# KiCad board MCU_Bottom.kicad_pcb
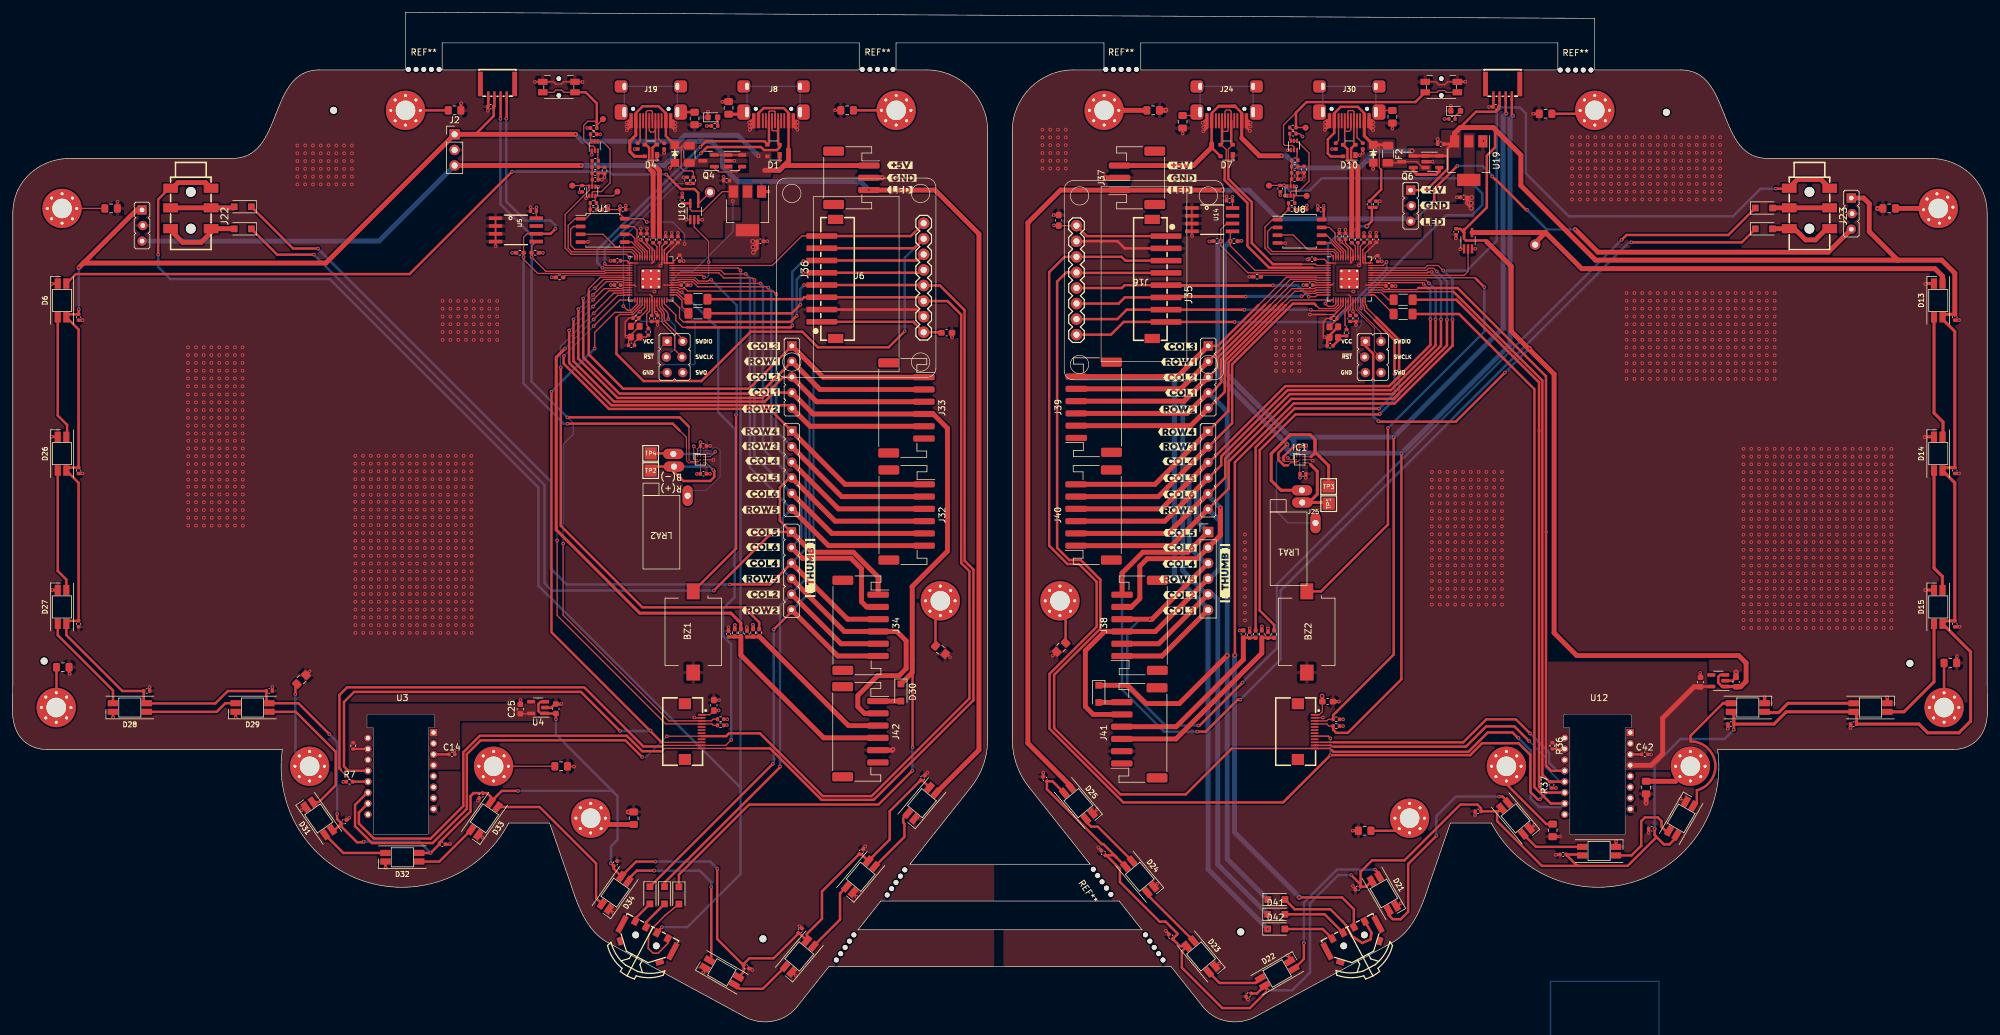
[diagram p0: board, top side]
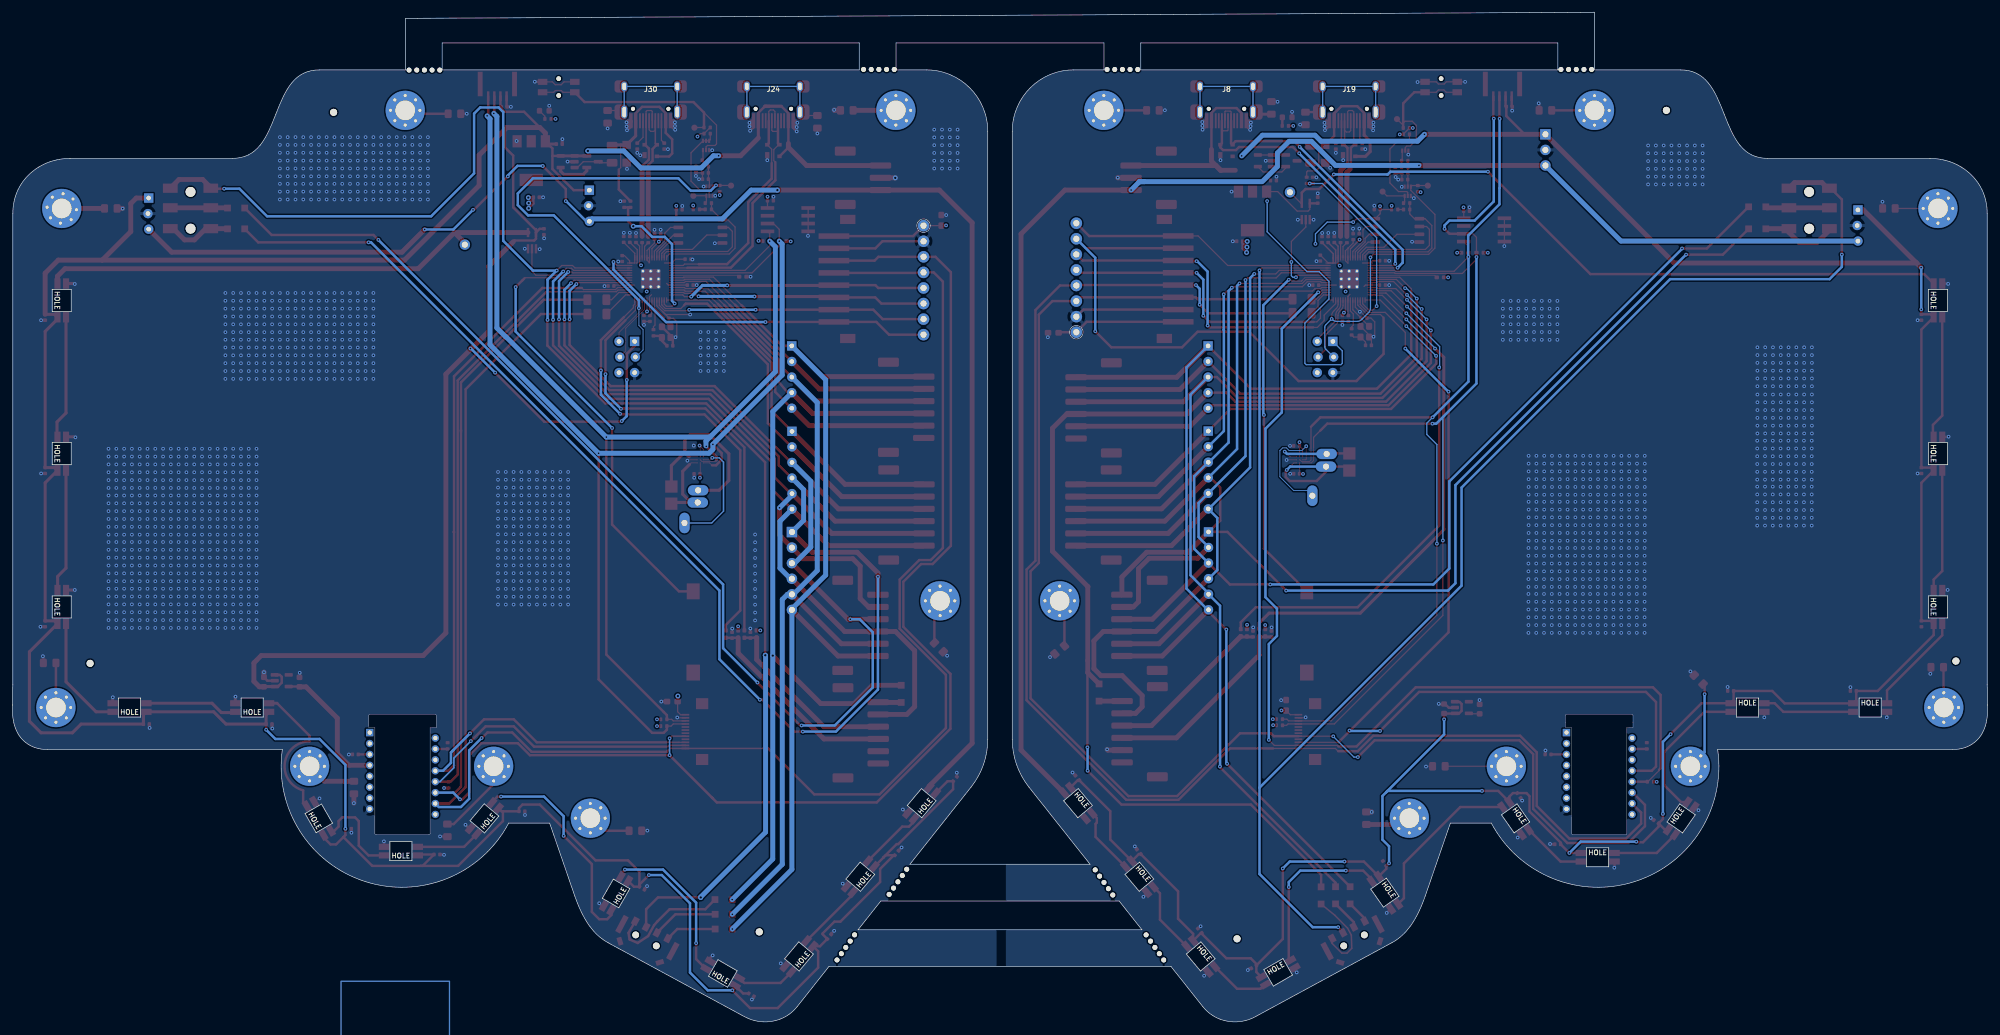
[diagram p1: board, bottom side, seen from below]

Outline 322.08 x 164.82 mm; copper layers: Top, In1.Cu, In2.Cu, Bottom. Coordinates in mm from the lower left corner of the outline.
Outline path: 0.09,55.19 0.09,132.02 ; 9.44,140.98 35.86,140.98 ; 5.78,44.56 44.03,44.56 arc(57.44,23.06) 80.94,32.56 87.61,32.56 91.7,20.69 ; 50.09,155.41 64.09,155.41 64.09,164.82 257.99,163.82 257.99,155.41 271.99,155.41 ; 119.39,0.99 97.14,13.06 ; 127.96,2.62 133.15,9.16 188.93,9.16 194.12,2.62 ; 202.7,0.99 224.94,13.06 ; 230.38,20.69 234.47,32.56 241.14,32.56 arc(264.64,23.06) 278.05,44.56 316.3,44.56 ; 312.64,140.98 286.22,140.98 ; 321.99,55.19 321.99,132.02 ; 57.84,50.11 57.84,48.14 58.84,48.14 58.84,30.86 arc(58.9,30.72) 59.04,30.66 67.64,30.66 arc(67.78,30.72) 67.84,30.86 67.84,48.14 68.84,48.14 68.84,50.11 arc(68.78,50.25) 68.64,50.31 58.04,50.31 arc(57.9,50.25) 57.84,50.11 ; 70.09,159.82 70.09,155.41 138.09,155.41 138.09,159.82 70.09,159.82 ; 137.9,15.16 141.61,19.85 180.47,19.85 184.18,15.16 137.9,15.16 ; 144.09,159.82 177.99,159.82 177.99,155.41 173.04,155.41 arc(165.97,152.49) 163.04,145.41 163.04,46.22 arc(163.73,42.11) 165.74,38.46 175.72,25.85 146.36,25.85 156.34,38.46 arc(158.35,42.11) 159.04,46.22 159.04,145.41 arc(156.11,152.49) 149.04,155.41 144.09,155.41 144.09,159.82 ; 183.99,159.82 251.99,159.82 251.99,155.41 183.99,155.41 183.99,159.82 ; 252.96,50.11 252.96,48.14 253.96,48.14 253.96,30.86 arc(254.02,30.72) 254.16,30.66 262.76,30.66 arc(262.9,30.72) 262.96,30.86 262.96,48.14 263.96,48.14 263.96,50.11 arc(263.9,50.25) 263.76,50.31 253.16,50.31 arc(253.02,50.25) 252.96,50.11
Stack: Top 0.035mm / dielectric 0.2104mm FR4 er 4.5 / In1.Cu 0.035mm / dielectric 1.2mm FR4 er 4.5 / In2.Cu 0.0152mm / dielectric 0.2104mm FR4 er 4.5 / Bottom 0.035mm

## Placement (name value [footprint] x y rotation side)
BZ1  Buzzer  [Buzzer_SMD_KLJ-1102_11x9]  111.03 63.76 270 top
BZ2  Buzzer  [Buzzer_SMD_KLJ-1102_11x9]  211.06 63.76 270 top
C1  100n  [C_0402_1005Metric]  99.54 132.64 0 top
C2  100n  [C_0402_1005Metric]  108.82 124.72 270 top
C3  15p  [C_0402_1005Metric]  101.69 114.94 0 top
C4  15p  [C_0402_1005Metric]  100.97 110.49 0 top
C5  1uf  [C_0603_1608Metric_Pad1.08x0.95mm_HandSolder]  152.35 112.54 0 top
C6  100n  [C_0402_1005Metric]  213.34 132.62 0 top
C9  15p  [C_0402_1005Metric]  215.49 114.89 0 top
C10  1u  [C_0402_1005Metric]  106.54 127.74 90 top
C11  100n  [C_0402_1005Metric]  98.67 124.29 180 top
C12  100n  [C_0402_1005Metric]  109.55 120.32 0 top
C13  1u  [C_0402_1005Metric]  107.54 127.74 270 top
C14  4.7u  [C_0402_1005Metric]  71.68 43.77 0 top
C15  15p  [C_0402_1005Metric]  214.87 110.42 0 top
C16  100n  [C_0402_1005Metric]  98.68 120.32 180 top
C17  100n  [C_0402_1005Metric]  222.64 124.64 270 top
C18  100n  [C_0402_1005Metric]  103.46 128.21 90 top
C19  100n  [C_0402_1005Metric]  104.24 114.86 270 top
C20  100n  [C_0402_1005Metric]  108.54 127.74 90 top
C21  1uf  [C_0603_1608Metric_Pad1.08x0.95mm_HandSolder]  170.62 130.88 90 top
C22  100n  [C_0402_1005Metric]  102.47 128.21 90 top
C23  100n  [C_0402_1005Metric]  105.22 114.88 270 top
C24  0.1u  [C_0603_1608Metric]  88.64 51.21 270 top
C25  1u  [C_0603_1608Metric]  82.84 51.16 90 top
C26  1u  [C_0402_1005Metric]  220.39 127.74 90 top
C27  1uf  [C_0402_1005Metric]  112.69 94.09 0 top
C28  cap_1uF_10v_0402  [C_0402_1005Metric]  116.46 137.37 180 top
C29  100n  [C_0402_1005Metric-no silk]  84.98 132.39 0 top
C30  1uf  [C_0603_1608Metric_Pad1.08x0.95mm_HandSolder]  114.39 51.78 90 top
C31  cap_1uF_10v_0402  [C_0402_1005Metric]  121.97 127.47 0 top
C32  1uf  [C_0402_1005Metric]  112.68 89.54 0 top
C33  100n  [C_0402_1005Metric-no silk]  109.23 134.16 90 top
C34  4u7  [C_0402_1005Metric]  95.04 138.54 0 top
C35  cap_100nF_16v_0402  [C_0402_1005Metric]  116.79 63.41 90 top
C37  10u  [C_0402_1005Metric]  95.05 137.52 0 top
C38  cap_100nF_16v_0402  [C_0402_1005Metric]  119.79 63.41 90 top
C39  100n  [C_0402_1005Metric]  217.37 128.27 90 top
C40  100n  [C_0402_1005Metric]  218.12 114.87 270 top
C41  1u  [C_0402_1005Metric]  221.39 127.77 270 top
C42  4.7u  [C_0402_1005Metric]  266.15 43.77 0 top
C43  100n  [C_0402_1005Metric]  211.91 124.54 180 top
C44  100n  [C_0402_1005Metric]  224.47 120.17 0 top
C45  100n  [C_0402_1005Metric]  211.55 120.32 180 top
C46  100n  [C_0402_1005Metric]  222.39 127.77 90 top
C47  100n  [C_0402_1005Metric]  219.09 114.88 270 top
C48  100n  [C_0402_1005Metric]  216.37 128.27 90 top
C49  0.1u  [C_0603_1608Metric]  281.05 55.57 270 top
C50  1u  [C_0603_1608Metric]  275.25 55.56 90 top
C51  1uf  [C_0402_1005Metric]  210.5 94.14 0 top
C52  cap_1uF_10v_0402  [C_0402_1005Metric]  232.89 143.32 180 top
C53  100n  [C_0402_1005Metric-no silk]  198.47 134.09 0 top
C54  1uf  [C_0603_1608Metric_Pad1.08x0.95mm_HandSolder]  214.46 52.39 0 top
C55  cap_1uF_10v_0402  [C_0402_1005Metric]  236.64 134.64 180 top
C56  1uf  [C_0402_1005Metric]  210.44 89.52 0 top
C57  100n  [C_0402_1005Metric-no silk]  235.4 129.02 270 top
C58  4u7  [C_0402_1005Metric]  209.07 138.62 0 top
C59  cap_100nF_16v_0402  [C_0402_1005Metric]  204.73 63.2 90 top
C60  100n  [C_0402_1005Metric]  78.01 149.42 0 top
C61  10u  [C_0402_1005Metric]  209.07 137.59 0 top
C62  cap_100nF_16v_0402  [C_0402_1005Metric]  201.74 63.21 90 top
C63  100n  [C_0402_1005Metric]  316.72 115.07 90 top
C64  100n  [C_0402_1005Metric]  316.72 90.07 90 top
C65  100n  [C_0402_1005Metric]  316.72 65.07 90 top
C66  100n  [C_0402_1005Metric]  300.21 48.71 0 top
C67  100n  [C_0402_1005Metric]  280.21 48.71 0 top
C68  100n  [C_0402_1005Metric]  267.29 31.64 0 top
C69  100n  [C_0402_1005Metric]  252.84 27.44 0 top
C70  100n  [C_0402_1005Metric]  241.89 149.39 0 top
C71  100n  [C_0402_1005Metric]  238.99 34.49 0 top
C72  100n  [C_0402_1005Metric]  219.42 21.95 30 top
C73  100n  [C_0402_1005Metric]  201.59 4.54 30 top
C74  100n  [C_0402_1005Metric]  188.89 14.04 310 top
C75  100n  [C_0402_1005Metric]  168.38 39.75 310 top
C76  100n  [C_0402_1005Metric]  177.89 27.69 310 top
C77  100n  [C_0402_1005Metric]  10.82 115.07 90 top
C78  100n  [C_0402_1005Metric]  10.82 90.07 90 top
C79  100n  [C_0402_1005Metric]  10.82 65.07 90 top
C80  100n  [C_0402_1005Metric]  21.92 54.11 180 top
C81  100n  [C_0402_1005Metric]  41.92 54.11 180 top
C82  100n  [C_0402_1005Metric]  54.06 32.79 215 top
C83  100n  [C_0402_1005Metric]  70.11 29.11 180 top
C84  100n  [C_0402_1005Metric]  76.44 37.06 55 top
C85  100n  [C_0402_1005Metric]  98.34 25.99 235 top
C86  100n  [C_0402_1005Metric]  119.66 9.11 150 top
C87  100n  [C_0402_1005Metric]  128.46 15.01 230 top
C88  100n  [C_0402_1005Metric]  138.41 27.89 230 top
C89  100n  [C_0402_1005Metric]  148.44 39.94 230 top
D1  PRTR5V0U2X  [SOT-143]  124.12 142.26 180 top
D2  LED  [LED_0603_1608Metric]  114.22 147.68 0 top
D3  SMF5.0A  [D_SOD-123FL]  108.04 141.71 270 top
D4  PRTR5V0U2X  [SOT-143]  104.12 142.26 180 top
D5  D  [D_SOD-123F]  108.69 20.76 270 top
D6  SK6803Mini-E  [ScyllaBallz-SK6812MINI-E]  8.12 117.82 270 top
D7  PRTR5V0U2X  [SOT-143]  197.99 142.26 180 top
D8  LED  [LED_0603_1608Metric]  235.34 148.74 0 top
D9  SMF5.0A  [D_SOD-123FL]  221.91 141.74 270 top
D10  PRTR5V0U2X  [SOT-143]  217.99 142.26 180 top
D11  D  [D_SOD-123F]  206.11 20.09 0 top
D12  D  [D_SOD-123F]  177.15 53.64 270 top
D13  SK6803Mini-E  [ScyllaBallz-SK6812MINI-E]  314.02 117.82 270 top
D14  SK6803Mini-E  [ScyllaBallz-SK6812MINI-E]  314.02 92.82 270 top
D15  SK6803Mini-E  [ScyllaBallz-SK6812MINI-E]  314.02 67.82 270 top
D16  SK6803Mini-E  [ScyllaBallz-SK6812MINI-E]  302.96 51.41 180 top
D17  SK6803Mini-E  [ScyllaBallz-SK6812MINI-E]  282.96 51.41 180 top
D18  SK6803Mini-E  [ScyllaBallz-SK6812MINI-E]  272.1 33.33 240 top
D19  SK6803Mini-E  [ScyllaBallz-SK6812MINI-E]  258.72 27.99 180 top
D20  SK6803Mini-E  [ScyllaBallz-SK6812MINI-E]  245.1 33.33 130 top
D21  SK6803Mini-E  [ScyllaBallz-SK6812MINI-E]  223.64 21.09 120 top
D22  SK6803Mini-E  [ScyllaBallz-SK6812MINI-E]  206.24 8.04 210 top
D23  SK6803Mini-E  [ScyllaBallz-SK6812MINI-E]  193.82 10.82 130 top
D24  SK6803Mini-E  [ScyllaBallz-SK6812MINI-E]  183.82 23.82 130 top
D25  SK6803Mini-E  [ScyllaBallz-SK6812MINI-E]  173.82 35.82 130 top
D26  SK6803Mini-E  [ScyllaBallz-SK6812MINI-E]  8.12 92.82 270 top
D27  SK6803Mini-E  [ScyllaBallz-SK6812MINI-E]  8.12 67.82 270 top
D28  SK6803Mini-E  [ScyllaBallz-SK6812MINI-E]  19.17 51.41 0 top
D29  SK6803Mini-E  [ScyllaBallz-SK6812MINI-E]  39.17 51.41 0 top
D30  D  [D_SOD-123F]  144.89 53.86 270 top
D31  SK6803Mini-E  [ScyllaBallz-SK6812MINI-E]  49.98 33.33 305 top
D32  SK6803Mini-E  [ScyllaBallz-SK6812MINI-E]  63.59 26.99 0 top
D33  SK6803Mini-E  [ScyllaBallz-SK6812MINI-E]  76.98 33.33 55 top
D34  SK6803Mini-E  [ScyllaBallz-SK6812MINI-E]  98.29 21.22 55 top
D35  SK6803Mini-E  [ScyllaBallz-SK6812MINI-E]  115.69 8.22 330 top
D36  SK6803Mini-E  [ScyllaBallz-SK6812MINI-E]  128.32 10.82 50 top
D37  SK6803Mini-E  [ScyllaBallz-SK6812MINI-E]  138.32 23.82 50 top
D38  SK6803Mini-E  [ScyllaBallz-SK6812MINI-E]  148.32 35.82 50 top
D39  D  [D_SOD-123F]  106.34 20.79 270 top
D40  D  [D_SOD-123F]  103.96 20.79 270 top
D41  D  [D_SOD-123F]  206.09 17.69 0 top
D42  D  [D_SOD-123F]  206.09 15.29 0 top
D43  D  [D_SOD-123F]  37.59 133.09 180 top
D44  D  [D_SOD-123F]  37.59 129.49 180 top
D45  D  [D_SOD-123F]  285.59 132.89 0 top
D46  D  [D_SOD-123F]  285.59 129.49 0 top
DRILL1  Drill Mountpoint  [MountingHole_3.2mm_M3_Pad_Via]  78.48 41.83 0 top
DRILL2  Drill Mountpoint  [MountingHole_3.2mm_M3_Pad_Via]  48.48 41.83 0 top
DRILL3  Drill Mountpoint  [MountingHole_3.2mm_M3_Pad_Via]  243.6 41.83 0 top
DRILL4  Drill Mountpoint  [MountingHole_3.2mm_M3_Pad_Via]  273.6 41.83 0 top
DRILL5  Drill Mountpoint  [MountingHole_3.2mm_M3_Pad_Via]  7.17 51.41 0 top
DRILL6  Drill Mountpoint  [MountingHole_3.2mm_M3_Pad_Via]  8.12 132.82 0 top
DRILL7  Drill Mountpoint  [MountingHole_3.2mm_M3_Pad_Via]  64.12 148.82 0 top
DRILL8  Drill Mountpoint  [MountingHole_3.2mm_M3_Pad_Via]  144.12 148.82 0 top
DRILL9  Drill Mountpoint  [MountingHole_3.2mm_M3_Pad_Via]  151.32 68.82 0 top
DRILL10  Drill Mountpoint  [MountingHole_3.2mm_M3_Pad_Via]  94.31 33.36 0 top
DRILL11  Drill Mountpoint  [MountingHole_3.2mm_M3_Pad_Via]  314.96 51.41 0 top
DRILL12  Drill Mountpoint  [MountingHole_3.2mm_M3_Pad_Via]  314.02 132.82 5 top
DRILL13  Drill Mountpoint  [MountingHole_3.2mm_M3_Pad_Via]  258.02 148.82 0 top
DRILL14  Drill Mountpoint  [MountingHole_3.2mm_M3_Pad_Via]  178.02 148.82 0 top
DRILL15  Drill Mountpoint  [MountingHole_3.2mm_M3_Pad_Via]  170.82 68.82 0 top
DRILL16  Drill Mountpoint  [MountingHole_3.2mm_M3_Pad_Via]  227.82 33.36 0 top
F1  SMD-PPTC-1000MA  [Fuse_1206_3216Metric]  110.41 141.64 270 top
F2  SMD-PPTC-1000MA  [Fuse_1206_3216Metric]  224.29 141.67 270 top
FB1  4A/0805  [L_0805_2012Metric_Pad1.15x1.40mm_HandSolder]  116.79 149.22 90 top
FB2  4A/0805  [L_0805_2012Metric_Pad1.15x1.40mm_HandSolder]  111.24 147.49 270 top
FB3  4A/0805  [L_0805_2012Metric_Pad1.15x1.40mm_HandSolder]  190.82 146.95 270 top
FB4  4A/0805  [L_0805_2012Metric_Pad1.15x1.40mm_HandSolder]  225.02 147.77 270 top
FB5  4A/0805  [L_0805_2012Metric_Pad1.15x1.40mm_HandSolder]  89.49 41.83 0 top
FB6  4A/0805  [L_0805_2012Metric_Pad1.15x1.40mm_HandSolder]  47.14 55.96 45 top
FB7  4A/0805  [L_0805_2012Metric_Pad1.15x1.40mm_HandSolder]  251.14 31.38 270 top
FB8  4A/0805  [L_0805_2012Metric_Pad1.15x1.40mm_HandSolder]  266.38 38.36 270 top
FB9  4A/0805  [L_0805_2012Metric_Pad1.15x1.40mm_HandSolder]  8.24 57.99 0 top
FB10  4A/0805  [L_0805_2012Metric_Pad1.15x1.40mm_HandSolder]  16.12 132.82 0 top
FB11  4A/0805  [L_0805_2012Metric_Pad1.15x1.40mm_HandSolder]  72.12 148.82 0 top
FB12  4A/0805  [L_0805_2012Metric_Pad1.15x1.40mm_HandSolder]  136.12 148.82 180 top
FB13  4A/0805  [L_0805_2012Metric_Pad1.15x1.40mm_HandSolder]  151.32 60.82 320 top
FB14  4A/0805  [L_0805_2012Metric_Pad1.15x1.40mm_HandSolder]  101.31 33.36 90 top
FB15  4A/0805  [L_0805_2012Metric_Pad1.15x1.40mm_HandSolder]  315.99 58.69 0 top
FB16  4A/0805  [L_0805_2012Metric_Pad1.15x1.40mm_HandSolder]  306.02 132.82 180 top
FB17  4A/0805  [L_0805_2012Metric_Pad1.15x1.40mm_HandSolder]  249.99 148.26 180 top
FB18  4A/0805  [L_0805_2012Metric_Pad1.15x1.40mm_HandSolder]  186.02 148.82 0 top
FB19  4A/0805  [L_0805_2012Metric_Pad1.15x1.40mm_HandSolder]  171.01 61.24 225 top
FB20  4A/0805  [L_0805_2012Metric_Pad1.15x1.40mm_HandSolder]  220.49 31.31 180 top
H1  Hole  [JLC_SMT_Assembly_Hole]  5.22 61.17 0 top
H2  Hole  [JLC_SMT_Assembly_Hole]  309.42 60.79 0 top
H3  Hole  [JLC_SMT_Assembly_Hole]  200.32 16.99 0 top
H14  Hole  [JLC_SMT_Assembly_Hole]  122.42 15.87 0 top
H18  Hole  [JLC_SMT_Assembly_Hole]  52.42 150.99 0 top
H19  Hole  [JLC_SMT_Assembly_Hole]  269.72 150.67 0 top
IC1  -  [Texas_DSBGA-9_1.4715x1.4715mm_Layout3x3_P0.5mm]  209.91 91.82 0 top
IC2  -  [Texas_DSBGA-9_1.4715x1.4715mm_Layout3x3_P0.5mm]  112.2 91.82 0 top
J1  Conn_01x06_Female  [PinHeader_1x6_P2.54mm_Vertical]  127.05 73.71 0 top
J2  Conn_01x03_Female  [PinHeader_1x03_P2.54mm_Vertical]  72.12 144.9 0 top
J3  S3B-PH-SM4-TB(LF)(SN)  [JST_PH_S3B-PH-SM4-TB_1x03-1MP_P2.00mm_Horizontal]  136.82 137.82 270 top
J4  Conn_01x05_Female  [PinHeader_1x5_P2.54mm_Vertical]  127.12 105.32 0 top
J5  Conn_01x06_Female  [PinHeader_1x6_P2.54mm_Vertical]  127.09 90.16 0 top
J6  Waveshare_-_160x80_(ST7735S)  [ST7735s -160x80]  138.12 121.32 0 top
J7  Conn_01x06_Female  [PinHeader_1x06_P2.54mm_Vertical]  194.97 80.04 0 top
J8  HRO-TYPE-C-31-M-12-HandSoldering-NoSBU  [HRO-TYPE-C-31-M-12-mod]  124.12 151.32 180 top
J9  Conn_01x03_Female  [PinHeader_1x3_staggered_P2.54mm_Vertical]  227.99 133.26 0 top
J10  Conn_01x03_Female  [PinHeader_1x3_staggered_P2.54mm_Vertical]  299.84 131.98 0 top
J11  Conn_01x05_Female  [PinHeader_1x5_P2.54mm_Vertical]  194.99 105.32 0 top
J12  Conn_01x01_Female  [1X01_OVAL]  110.11 85.96 0 top
J13  Conn_01x06_Female  [PinHeader_1x6_P2.54mm_Vertical]  194.96 90.12 0 top
J14  Conn_01x01_Female  [1X01_OVAL]  107.89 90.72 270 top
J15  Conn_01x12_Female  [FPC-SMD_FPC05012-09200-.5mm]  111.03 47.49 270 top
J16  Waveshare_-_160x80_(ST7735S)  [ST7735s -160x80]  183.99 121.32 180 top
J17  -  [Conn_ARM_JTAG_SWD_6]  107.92 108.59 0 top
J18  Conn_01x01_Female  [1X01_OVAL]  107.79 92.78 270 top
J19  TYPE-C-31-M12_13  [HRO-TYPE-C-31-M-12-mod]  104.12 151.32 180 top
J20  2.54  [PinHeader_1x01_P2.54mm_Circle]  113.76 135.46 0 top
J21  Conn_01x03_Female  [PinHeader_1x3_staggered_P2.54mm_Vertical]  21.16 130.04 0 top
J22  PJ-313D-B-SMT  [AUDIO-SMD_PJ-313D-B-SMT]  29.12 132.82 270 top
J23  PJ-313D-B-SMT  [AUDIO-SMD_PJ-313D-B-SMT]  293.02 132.82 270 top
J24  HRO-TYPE-C-31-M-12-HandSoldering-NoSBU  [HRO-TYPE-C-31-M-12-mod]  197.99 151.32 180 top
J25  Conn_01x01_Female  [1X01_OVAL]  212.48 81.52 0 top
J26  Conn_01x01_Female  [1X01_OVAL]  210.32 84.86 90 top
J27  Conn_01x12_Female  [FPC-SMD_FPC05012-09200-.5mm]  210.97 47.49 270 top
J28  -  [Conn_ARM_JTAG_SWD_6]  221.76 108.59 0 top
J29  Conn_01x01_Female  [1X01_OVAL]  210.26 86.85 90 top
J30  TYPE-C-31-M12_13  [HRO-TYPE-C-31-M-12-mod]  217.99 151.32 180 top
J31  2.54  [PinHeader_1x01_P2.54mm_Circle]  248.29 126.92 0 top
J32  S6B-PH-SM4-TB(LF)(SN)  [JST_PH_S6B-PH-SM4-TB_1x06-1MP_P2.00mm_Horizontal]  145.82 82.82 270 top
J33  S6B-PH-SM4-TB(LF)(SN)  [JST_PH_S6B-PH-SM4-TB_1x06-1MP_P2.00mm_Horizontal]  145.79 100.29 270 top
J34  S6B-PH-SM4-TB(LF)(SN)  [JST_PH_S6B-PH-SM4-TB_1x06-1MP_P2.00mm_Horizontal]  138.32 64.82 270 top
J35  Waveshare_-_160x80_(ST7735S)  [CONN-SMD_P2.00_PH-8P]  186.99 121.32 270 top
J36  Waveshare_-_160x80_(ST7735S)  [CONN-SMD_P2.00_PH-8P]  133.12 121.32 90 top
J37  S3B-PH-SM4-TB(LF)(SN)  [JST_PH_S3B-PH-SM4-TB_1x03-1MP_P2.00mm_Horizontal]  183.38 137.82 90 top
J38  S6B-PH-SM4-TB(LF)(SN)  [JST_PH_S6B-PH-SM4-TB_1x06-1MP_P2.00mm_Horizontal]  183.79 64.82 90 top
J39  S6B-PH-SM4-TB(LF)(SN)  [JST_PH_S6B-PH-SM4-TB_1x06-1MP_P2.00mm_Horizontal]  176.33 100.39 90 top
J40  S6B-PH-SM4-TB(LF)(SN)  [JST_PH_S6B-PH-SM4-TB_1x06-1MP_P2.00mm_Horizontal]  176.29 82.82 90 top
J41  S6B-PH-SM4-TB(LF)(SN)  [JST_PH_S6B-PH-SM4-TB_1x06-1MP_P2.00mm_Horizontal]  183.75 47.29 90 top
J42  S6B-PH-SM4-TB(LF)(SN)  [JST_PH_S6B-PH-SM4-TB_1x06-1MP_P2.00mm_Horizontal]  138.29 47.46 270 top
K1  SW_Push  [Panasonic_EVQPUL_EVQPUC]  89.12 152.62 0 top
K2  SW_Push  [Panasonic_EVQPUL_EVQPUC]  232.99 152.62 0 top
kibuzzard-6310BE2F  G***  [kibuzzard-6310BE2F]  144.69 135.86 0 top
kibuzzard-6310BE2F#2  G***  [kibuzzard-6310BE2F]  231.51 130.64 0 top
kibuzzard-6310BE2F#3  G***  [kibuzzard-6310BE2F]  190.31 135.83 0 top
kibuzzard-6310BE48  G***  [kibuzzard-6310BE48]  145.01 137.8 0 top
kibuzzard-6310BE48#2  G***  [kibuzzard-6310BE48]  231.89 133.31 0 top
kibuzzard-6310BE48#3  G***  [kibuzzard-6310BE48]  190.63 137.77 0 top
kibuzzard-6310BE55  G***  [kibuzzard-6310BE55]  231.61 135.86 0 top
kibuzzard-6310BE55#2  G***  [kibuzzard-6310BE55]  144.69 139.87 0 top
kibuzzard-6310BE55#3  G***  [kibuzzard-6310BE55]  190.31 139.84 0 top
kibuzzard-63106DCD  G***  [kibuzzard-63106DCD]  197.72 73.33 90 top
kibuzzard-63106DCD#2  G***  [kibuzzard-63106DCD]  130.1 74.17 90 top
kibuzzard-63106E3A  G***  [kibuzzard-63106E3A]  190.01 93.98 0 top
kibuzzard-63106E3A#2  G***  [kibuzzard-63106E3A]  122.02 94.06 0 top
kibuzzard-63106E29  G***  [kibuzzard-63106E29]  189.93 96.37 0 top
kibuzzard-63106E29#2  G***  [kibuzzard-63106E29]  121.94 96.45 0 top
kibuzzard-63106E52  G***  [kibuzzard-63106E52]  122.33 74.93 0 top
kibuzzard-63106E52#2  G***  [kibuzzard-63106E52]  122.3 91.66 0 top
kibuzzard-63106E52#3  G***  [kibuzzard-63106E52]  190.32 74.85 0 top
kibuzzard-63106E52#4  G***  [kibuzzard-63106E52]  190.29 91.58 0 top
kibuzzard-63106E63  G***  [kibuzzard-63106E63]  122.35 88.9 0 top
kibuzzard-63106E63#2  G***  [kibuzzard-63106E63]  190.34 88.82 0 top
kibuzzard-63106E63#3  G***  [kibuzzard-63106E63]  122.39 79.99 0 top
kibuzzard-63106E63#4  G***  [kibuzzard-63106E63]  190.38 79.91 0 top
kibuzzard-63106E71  G***  [kibuzzard-63106E71]  190.35 77.5 0 top
kibuzzard-63106E71#2  G***  [kibuzzard-63106E71]  122.33 86.25 0 top
kibuzzard-63106E71#3  G***  [kibuzzard-63106E71]  122.36 77.58 0 top
kibuzzard-63106E71#4  G***  [kibuzzard-63106E71]  190.32 86.17 0 top
kibuzzard-63106E83  G***  [kibuzzard-63106E83]  122.05 72.41 0 top
kibuzzard-63106E83#2  G***  [kibuzzard-63106E83]  122.02 83.67 0 top
kibuzzard-63106E83#3  G***  [kibuzzard-63106E83]  190.04 72.33 0 top
kibuzzard-63106E83#4  G***  [kibuzzard-63106E83]  190.01 83.59 0 top
kibuzzard-63106F26  G***  [kibuzzard-63106F26]  190.38 105.25 0 top
kibuzzard-63106F26#2  G***  [kibuzzard-63106F26]  190.38 69.77 0 top
kibuzzard-63106F26#3  G***  [kibuzzard-63106F26]  122.39 69.85 0 top
kibuzzard-63106F26#4  G***  [kibuzzard-63106F26]  122.39 105.33 0 top
kibuzzard-63106F48  G***  [kibuzzard-63106F48]  190.21 107.8 0 top
kibuzzard-63106F48#2  G***  [kibuzzard-63106F48]  122.22 107.88 0 top
kibuzzard-63106F53  G***  [kibuzzard-63106F53]  190.44 110.29 0 top
kibuzzard-63106F53#2  G***  [kibuzzard-63106F53]  190.31 67.22 0 top
kibuzzard-63106F53#3  G***  [kibuzzard-63106F53]  122.45 110.37 0 top
kibuzzard-63106F69  G***  [kibuzzard-63106F69]  122.56 102.85 0 top
kibuzzard-63106F69#2  G***  [kibuzzard-63106F69]  190.55 102.77 0 top
kibuzzard-63106F96  G***  [kibuzzard-63106F96]  122.02 67.27 0 top
kibuzzard-63106F96#2  G***  [kibuzzard-63106F96]  122.06 100.11 0 top
kibuzzard-63106F96#3  G***  [kibuzzard-63106F96]  190.05 100.03 0 top
LRA1  -  [VL120628H]  208.09 77.31 180 top
LRA2  -  [VL120628H]  105.84 80.01 180 top
Q1  2N7002VC-7  [SOT-563]  208.97 143.09 90 top
Q2  2N7002VC-7  [SOT-563]  94.97 142.99 90 top
Q3  2N7002VC-7  [SOT-563]  94.57 135.62 90 top
Q4  AO3401A  [SOT-23]  113.54 140.59 180 top
Q5  2N7002VC-7  [SOT-563]  208.42 135.64 90 top
Q6  AO3401A  [SOT-23]  227.48 140.44 180 top
R1  5K1  [R_0402_1005Metric]  96.69 132.64 180 top
R2  5K1  [R_0402_1005Metric]  94.74 132.64 180 top
R3  27R  [R_0402_1005Metric]  104.49 127.74 270 top
R4  27R  [R_0402_1005Metric]  105.52 127.75 270 top
R5  1K  [R_0402_1005Metric]  103.71 112.69 90 top
R6  39  [R_0402_1005Metric]  55.59 45.17 270 top
R7  10k  [R_0402_1005Metric]  54.98 39.32 0 top
R8  5K1  [R_0402_1005Metric]  210.54 132.67 180 top
R9  5K1  [R_0402_1005Metric]  208.59 132.67 180 top
R10  27R  [R_0402_1005Metric]  218.39 127.74 270 top
R11  2K2  [R_0402_1005Metric]  111.04 137.4 270 top
R12  5K1  [R_0402_1005Metric]  110.04 137.4 90 top
R13  10k  [R_0402_1005Metric_Pad0.72x0.64mm_HandSolder]  82.76 125.59 0 top
R14  10k  [R_0402_1005Metric_Pad0.72x0.64mm_HandSolder]  85.26 125.59 180 top
R15  22r  [R_1206_3216Metric_Pad1.30x1.75mm_HandSolder]  111.79 115.72 0 top
R16  22r  [R_1206_3216Metric_Pad1.30x1.75mm_HandSolder]  111.79 118.02 0 top
R17  2K2  [R_0402_1005Metric]  114.52 146.28 0 top
R18  4.7k  [R_0402_1005Metric]  115.49 48.52 180 top
R19  27R  [R_0402_1005Metric]  219.39 127.75 270 top
R20  4.7k  [R_0402_1005Metric]  115.49 49.52 0 top
R21  10k  [R_0402_1005Metric_Pad0.72x0.64mm_HandSolder]  89.24 121.58 0 top
R22  5K1  [R_0402_1005Metric]  94.79 145.94 0 top
R23  5K1  [R_0402_1005Metric]  94.79 144.92 180 top
R24  r_5.1k_0402_1p  [R_0402_1005Metric#2]  106.29 142.99 270 top